# Altium PCB PCB4.PcbDoc (part 8 of 12)
Units mil, origin at the board's own origin, x right, y up, seen from the top; angles counter-clockwise.
Board outline 9204.7 x 4350.39 mil, 4 copper layers (Top Layer, Layer 1, Layer 2, Bottom Layer), stack 23.756 mil thick; 1824 components, 1732 nets, 6090 pads, 1022 vias.
Unrouted connection lines stored in the file: 2463.
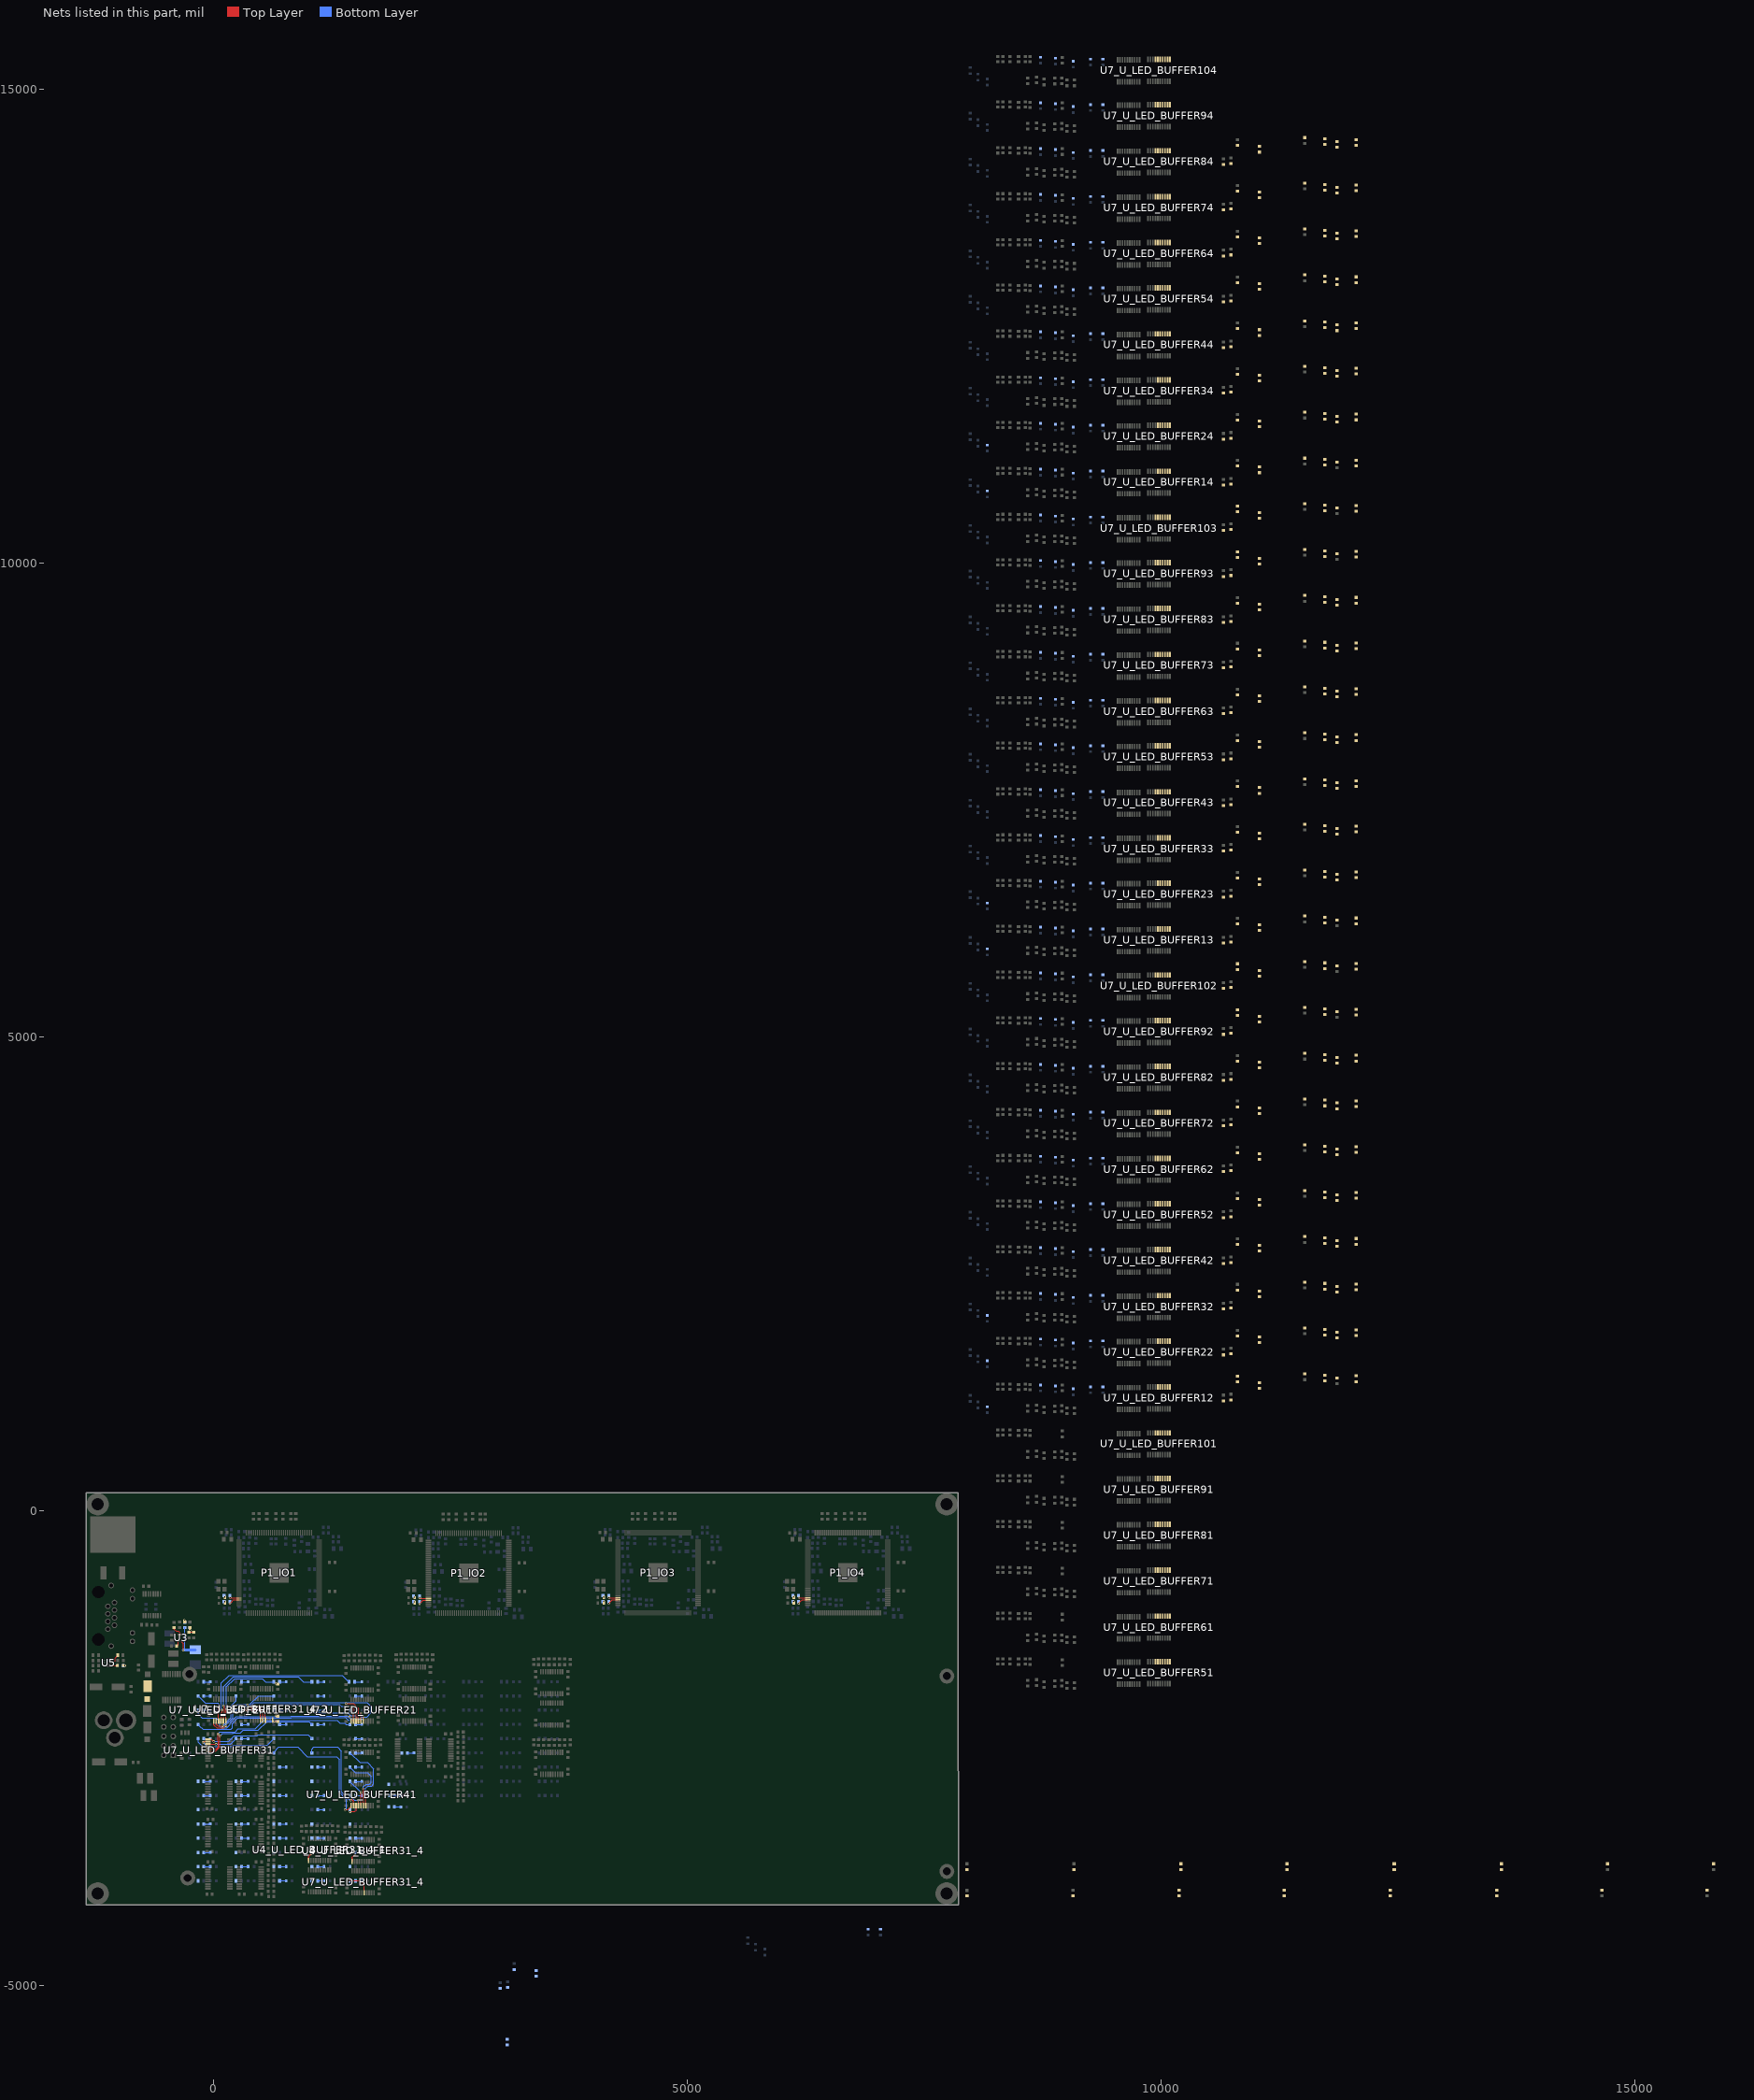
[diagram p10: the nets of this part, all layers, seen from the top]

## Via types
v1: diameter 24, hole 12, Top Layer to Bottom Layer, 1022 vias

## Nets (pads, with @x,y where several pads share a name; then routed paths per layer and width w, separated by ;. In a path a pad name is that pad's centre, name@x,y a point inside that pad or via, vN(x,y) a via of type N, cw(c..) or ccw(c..) an arc to the next point about the centre after c; other vN are vias at no path point) (continued)
L_OUT2_U_LED_BUFFER41: R17_U_LED_BUFFER41.2 U7_U_LED_BUFFER41.17 | length 770.3
  Top Layer w7: v1(1607.15,-2961.26) 1608.39,-2962.49 U7_U_LED_BUFFER41.17@1608.39,-3105.67
  Bottom Layer w7: R17_U_LED_BUFFER41.2@1440,-2550 1445.53,-2550 1545.53,-2650 1625.87,-2650 1693.04,-2717.16 1693.04,-2876.96 1670,-2900 1630,-2900 1607.15,-2922.85 v1(1607.15,-2961.26)
L_OUT2_U_LED_BUFFER42: R17_U_LED_BUFFER42.2 U7_U_LED_BUFFER42.17
L_OUT2_U_LED_BUFFER43: R17_U_LED_BUFFER43.2 U7_U_LED_BUFFER43.17
L_OUT2_U_LED_BUFFER44: R17_U_LED_BUFFER44.2 U7_U_LED_BUFFER44.17
L_OUT2_U_LED_BUFFER51: R17_U_LED_BUFFER51.2 U7_U_LED_BUFFER51.17
L_OUT2_U_LED_BUFFER52: R17_U_LED_BUFFER52.2 U7_U_LED_BUFFER52.17
L_OUT2_U_LED_BUFFER53: R17_U_LED_BUFFER53.2 U7_U_LED_BUFFER53.17
L_OUT2_U_LED_BUFFER54: R17_U_LED_BUFFER54.2 U7_U_LED_BUFFER54.17
L_OUT2_U_LED_BUFFER61: R17_U_LED_BUFFER61.2 U7_U_LED_BUFFER61.17
L_OUT2_U_LED_BUFFER62: R17_U_LED_BUFFER62.2 U7_U_LED_BUFFER62.17
L_OUT2_U_LED_BUFFER63: R17_U_LED_BUFFER63.2 U7_U_LED_BUFFER63.17
L_OUT2_U_LED_BUFFER64: R17_U_LED_BUFFER64.2 U7_U_LED_BUFFER64.17
L_OUT2_U_LED_BUFFER71: R17_U_LED_BUFFER71.2 U7_U_LED_BUFFER71.17
L_OUT2_U_LED_BUFFER72: R17_U_LED_BUFFER72.2 U7_U_LED_BUFFER72.17
L_OUT2_U_LED_BUFFER73: R17_U_LED_BUFFER73.2 U7_U_LED_BUFFER73.17
L_OUT2_U_LED_BUFFER74: R17_U_LED_BUFFER74.2 U7_U_LED_BUFFER74.17
L_OUT2_U_LED_BUFFER81: R17_U_LED_BUFFER81.2 U7_U_LED_BUFFER81.17
L_OUT2_U_LED_BUFFER82: R17_U_LED_BUFFER82.2 U7_U_LED_BUFFER82.17
L_OUT2_U_LED_BUFFER83: R17_U_LED_BUFFER83.2 U7_U_LED_BUFFER83.17
L_OUT2_U_LED_BUFFER84: R17_U_LED_BUFFER84.2 U7_U_LED_BUFFER84.17
L_OUT2_U_LED_BUFFER91: R17_U_LED_BUFFER91.2 U7_U_LED_BUFFER91.17
L_OUT2_U_LED_BUFFER92: R17_U_LED_BUFFER92.2 U7_U_LED_BUFFER92.17
L_OUT2_U_LED_BUFFER93: R17_U_LED_BUFFER93.2 U7_U_LED_BUFFER93.17
L_OUT2_U_LED_BUFFER94: R17_U_LED_BUFFER94.2 U7_U_LED_BUFFER94.17
L_OUT2_U_LED_BUFFER101: R17_U_LED_BUFFER101.2 U7_U_LED_BUFFER101.17
L_OUT2_U_LED_BUFFER102: R17_U_LED_BUFFER102.2 U7_U_LED_BUFFER102.17
L_OUT2_U_LED_BUFFER103: R17_U_LED_BUFFER103.2 U7_U_LED_BUFFER103.17
L_OUT2_U_LED_BUFFER104: R17_U_LED_BUFFER104.2 U7_U_LED_BUFFER104.17
L_OUT3_U_LED_BUFFER11: C34_U_LED_BUFFER31_4_2.1 R19_U_LED_BUFFER11.2 U7_U_LED_BUFFER11.16 | length 905.9
  Top Layer w7: U7_U_LED_BUFFER11.16@132.85,-2215.35 132.85,-2096.89 v1(140.05,-2089.69)
  Bottom Layer w7: v1@140,-2080 140,-1852.65 226.61,-1766.04 516.04,-1766.04 550,-1800 R19_U_LED_BUFFER11.2@640,-1800
  other v1: 660.67,-1817.74
L_OUT3_U_LED_BUFFER12: R19_U_LED_BUFFER12.2 U7_U_LED_BUFFER12.16
L_OUT3_U_LED_BUFFER13: R19_U_LED_BUFFER13.2 U7_U_LED_BUFFER13.16
L_OUT3_U_LED_BUFFER14: R19_U_LED_BUFFER14.2 U7_U_LED_BUFFER14.16
L_OUT3_U_LED_BUFFER21: C28_U_LED_BUFFER31_4_2.2 R19_U_LED_BUFFER21.2 U7_U_LED_BUFFER21.16 | length 2003.4
  Top Layer w7: U7_U_LED_BUFFER21.16@1582.8,-2215.67 1582.8,-2167.94 v1(1584.24,-2166.5)
  Bottom Layer w7: R19_U_LED_BUFFER21.2@-160,-2100 -160,-2140 -120,-2180 29.81,-2180 70.8,-2220.99 70.8,-2269.67 88.11,-2286.98 143.71,-2286.98 177.39,-2253.3 177.39,-2234.5 242.79,-2169.11 818.59,-2169.11 824.2,-2163.5 1415.32,-2163.5 1437.93,-2186.11 1494.29,-2186.11 1500.68,-2192.5 1567.52,-2192.5 1581.51,-2206.5 1584.24,-2206.5
  other v1: 657.8,-2155.27
L_OUT3_U_LED_BUFFER22: R19_U_LED_BUFFER22.2 U7_U_LED_BUFFER22.16
L_OUT3_U_LED_BUFFER23: R19_U_LED_BUFFER23.2 U7_U_LED_BUFFER23.16
L_OUT3_U_LED_BUFFER24: R19_U_LED_BUFFER24.2 U7_U_LED_BUFFER24.16
L_OUT3_U_LED_BUFFER31: R19_U_LED_BUFFER31.2 U7_U_LED_BUFFER31.16 | length 1309.9
  Top Layer w7: U7_U_LED_BUFFER31.16@-55.67,-2532.8 27,-2532.8 70.67,-2489.13 70.67,-2370.67 v1(70,-2370)
  Bottom Layer w7: v1(70,-2370) 97.02,-2342.98 204.75,-2342.98 205.73,-2342 286.15,-2342 317.23,-2310.93 473.72,-2310.93 564.65,-2220 1010,-2220 1026,-2236 1028.5,-2236 1040,-2247.5 R19_U_LED_BUFFER31.2@1040,-2250
L_OUT3_U_LED_BUFFER32: R19_U_LED_BUFFER32.2 U7_U_LED_BUFFER32.16
L_OUT3_U_LED_BUFFER33: R19_U_LED_BUFFER33.2 U7_U_LED_BUFFER33.16
L_OUT3_U_LED_BUFFER34: R19_U_LED_BUFFER34.2 U7_U_LED_BUFFER34.16
L_OUT3_U_LED_BUFFER41: R19_U_LED_BUFFER41.2 U7_U_LED_BUFFER41.16 | length 630.1
  Top Layer w7: U7_U_LED_BUFFER41.16@1582.8,-3105.67 1582.94,-3105.52 v1(1582.94,-2928.7) v1@1582.94,-2928.47
  Bottom Layer w7: R19_U_LED_BUFFER41.2@1440,-2700 1440,-2702.5 1451.5,-2714 1454,-2714 1500,-2760 1627.89,-2760 1664.41,-2796.52 1664.41,-2861.24 1655.78,-2869.88 1655.78,-2870.1 1649.62,-2876.25 1649.41,-2876.25 1645.66,-2880 1610,-2880 1582.94,-2907.06 v1(1582.94,-2928.7)
L_OUT3_U_LED_BUFFER42: R19_U_LED_BUFFER42.2 U7_U_LED_BUFFER42.16
L_OUT3_U_LED_BUFFER43: R19_U_LED_BUFFER43.2 U7_U_LED_BUFFER43.16
L_OUT3_U_LED_BUFFER44: R19_U_LED_BUFFER44.2 U7_U_LED_BUFFER44.16
L_OUT3_U_LED_BUFFER51: R19_U_LED_BUFFER51.2 U7_U_LED_BUFFER51.16
L_OUT3_U_LED_BUFFER52: R19_U_LED_BUFFER52.2 U7_U_LED_BUFFER52.16
L_OUT3_U_LED_BUFFER53: R19_U_LED_BUFFER53.2 U7_U_LED_BUFFER53.16
L_OUT3_U_LED_BUFFER54: R19_U_LED_BUFFER54.2 U7_U_LED_BUFFER54.16
L_OUT3_U_LED_BUFFER61: R19_U_LED_BUFFER61.2 U7_U_LED_BUFFER61.16
L_OUT3_U_LED_BUFFER62: R19_U_LED_BUFFER62.2 U7_U_LED_BUFFER62.16
L_OUT3_U_LED_BUFFER63: R19_U_LED_BUFFER63.2 U7_U_LED_BUFFER63.16
L_OUT3_U_LED_BUFFER64: R19_U_LED_BUFFER64.2 U7_U_LED_BUFFER64.16
L_OUT3_U_LED_BUFFER71: R19_U_LED_BUFFER71.2 U7_U_LED_BUFFER71.16
L_OUT3_U_LED_BUFFER72: R19_U_LED_BUFFER72.2 U7_U_LED_BUFFER72.16
L_OUT3_U_LED_BUFFER73: R19_U_LED_BUFFER73.2 U7_U_LED_BUFFER73.16
L_OUT3_U_LED_BUFFER74: R19_U_LED_BUFFER74.2 U7_U_LED_BUFFER74.16
L_OUT3_U_LED_BUFFER81: R19_U_LED_BUFFER81.2 U7_U_LED_BUFFER81.16
L_OUT3_U_LED_BUFFER82: R19_U_LED_BUFFER82.2 U7_U_LED_BUFFER82.16
L_OUT3_U_LED_BUFFER83: R19_U_LED_BUFFER83.2 U7_U_LED_BUFFER83.16
L_OUT3_U_LED_BUFFER84: R19_U_LED_BUFFER84.2 U7_U_LED_BUFFER84.16
L_OUT3_U_LED_BUFFER91: R19_U_LED_BUFFER91.2 U7_U_LED_BUFFER91.16
L_OUT3_U_LED_BUFFER92: R19_U_LED_BUFFER92.2 U7_U_LED_BUFFER92.16
L_OUT3_U_LED_BUFFER93: R19_U_LED_BUFFER93.2 U7_U_LED_BUFFER93.16
L_OUT3_U_LED_BUFFER94: R19_U_LED_BUFFER94.2 U7_U_LED_BUFFER94.16
L_OUT3_U_LED_BUFFER101: R19_U_LED_BUFFER101.2 U7_U_LED_BUFFER31_4.16 U7_U_LED_BUFFER101.16 | length 263.8
  Top Layer w7: v1(1430,-3900) 1430.67,-3899.33 1549.13,-3899.33 1592.8,-3943 U7_U_LED_BUFFER31_4.16@1592.8,-4025.67
L_OUT3_U_LED_BUFFER102: R19_U_LED_BUFFER102.2 U7_U_LED_BUFFER102.16
L_OUT3_U_LED_BUFFER103: R19_U_LED_BUFFER103.2 U7_U_LED_BUFFER103.16
L_OUT3_U_LED_BUFFER104: R19_U_LED_BUFFER104.2 U7_U_LED_BUFFER104.16
L_OUT4_U_LED_BUFFER11: R22_U_LED_BUFFER11.2 U7_U_LED_BUFFER11.15 | length 1356.5
  Top Layer w7: U7_U_LED_BUFFER11.15@107.26,-2215.35 107.26,-2149.69 117.37,-2139.57 117.37,-2063.25 v1(108.77,-2054.65)
  Bottom Layer w7: v1@108.72,-2044.97 108.72,-1851.28 210.45,-1749.55 899.55,-1749.55 950,-1800 R22_U_LED_BUFFER11.2@1040,-1800
L_OUT4_U_LED_BUFFER12: R22_U_LED_BUFFER12.2 U7_U_LED_BUFFER12.15
L_OUT4_U_LED_BUFFER13: R22_U_LED_BUFFER13.2 U7_U_LED_BUFFER13.15
L_OUT4_U_LED_BUFFER14: R22_U_LED_BUFFER14.2 U7_U_LED_BUFFER14.15
L_OUT4_U_LED_BUFFER21: R22_U_LED_BUFFER21.2 U7_U_LED_BUFFER21.15 U7_U_LED_BUFFER31_4_2.17 | length 2053.6
  Top Layer w7: v1(360.97,-2043.83) 376.43,-2059.3 489.1,-2059.3 548.39,-2118.59 U7_U_LED_BUFFER31_4_2.17@548.39,-2205.67 ; U7_U_LED_BUFFER21.15@1557.2,-2215.67 1557.2,-2132.8 v1(1560,-2130)
  Bottom Layer w7: R22_U_LED_BUFFER21.2@240,-2100 240,-2097.5 251.5,-2086 254,-2086 286,-2054 391.67,-2054 428.17,-2017.5 1620,-2017.5 1660,-2057.5 1660,-2130 1620,-2170 1560,-2170
L_OUT4_U_LED_BUFFER22: R22_U_LED_BUFFER22.2 U7_U_LED_BUFFER22.15
L_OUT4_U_LED_BUFFER23: R22_U_LED_BUFFER23.2 U7_U_LED_BUFFER23.15
L_OUT4_U_LED_BUFFER24: R22_U_LED_BUFFER24.2 U7_U_LED_BUFFER24.15
L_OUT4_U_LED_BUFFER31: C28_U_LED_BUFFER31_4_2.1 R22_U_LED_BUFFER31.2 U7_U_LED_BUFFER31.15 U7_U_LED_BUFFER31_4_2.20 | length 1783.4
  Top Layer w7: U7_U_LED_BUFFER31.15@-55.67,-2507.2 32.8,-2507.2 52.5,-2487.5 52.5,-2426.59 47.5,-2421.59 47.5,-2360.68 v1@49.09,-2359.09
  Top Layer w15: U7_U_LED_BUFFER31_4_2.20@625.16,-2205.67 625.16,-2217.56 C28_U_LED_BUFFER31_4_2.1@680,-2217.56
  Bottom Layer w7: v1(47.9,-2348.08) 67,-2328.98 198.95,-2328.98 199.93,-2328 232,-2328 263.07,-2296.93 443.55,-2296.93 534.48,-2206 1306,-2206 1337.5,-2237.5 1389.32,-2237.5 1401.82,-2250 R22_U_LED_BUFFER31.2@1440,-2250
  other v1: 645.1,-2215.13
L_OUT4_U_LED_BUFFER32: R22_U_LED_BUFFER32.2 U7_U_LED_BUFFER32.15
L_OUT4_U_LED_BUFFER33: R22_U_LED_BUFFER33.2 U7_U_LED_BUFFER33.15
L_OUT4_U_LED_BUFFER34: R22_U_LED_BUFFER34.2 U7_U_LED_BUFFER34.15
L_OUT4_U_LED_BUFFER41: R22_U_LED_BUFFER41.2 U7_U_LED_BUFFER41.15 | length 309.9
  Top Layer w7: U7_U_LED_BUFFER41.15@1557.2,-3105.67 1559.21,-3103.67 1559.21,-2966.71 v1(1557.37,-2964.88) v1@1559.21,-2963.04
  Bottom Layer w7: R22_U_LED_BUFFER41.2@1440,-2850 1535.81,-2945.81 1554.88,-2964.88 v1(1557.37,-2964.88)
L_OUT4_U_LED_BUFFER42: R22_U_LED_BUFFER42.2 U7_U_LED_BUFFER42.15
L_OUT4_U_LED_BUFFER43: R22_U_LED_BUFFER43.2 U7_U_LED_BUFFER43.15
L_OUT4_U_LED_BUFFER44: R22_U_LED_BUFFER44.2 U7_U_LED_BUFFER44.15
L_OUT4_U_LED_BUFFER51: R22_U_LED_BUFFER51.2 U7_U_LED_BUFFER51.15
L_OUT4_U_LED_BUFFER52: R22_U_LED_BUFFER52.2 U7_U_LED_BUFFER52.15
L_OUT4_U_LED_BUFFER53: R22_U_LED_BUFFER53.2 U7_U_LED_BUFFER53.15
L_OUT4_U_LED_BUFFER54: R22_U_LED_BUFFER54.2 U7_U_LED_BUFFER54.15
L_OUT4_U_LED_BUFFER61: R22_U_LED_BUFFER61.2 U7_U_LED_BUFFER61.15
L_OUT4_U_LED_BUFFER62: R22_U_LED_BUFFER62.2 U7_U_LED_BUFFER62.15
L_OUT4_U_LED_BUFFER63: R22_U_LED_BUFFER63.2 U7_U_LED_BUFFER63.15
L_OUT4_U_LED_BUFFER64: R22_U_LED_BUFFER64.2 U7_U_LED_BUFFER64.15
L_OUT4_U_LED_BUFFER71: R22_U_LED_BUFFER71.2 U7_U_LED_BUFFER71.15
L_OUT4_U_LED_BUFFER72: R22_U_LED_BUFFER72.2 U7_U_LED_BUFFER72.15
L_OUT4_U_LED_BUFFER73: R22_U_LED_BUFFER73.2 U7_U_LED_BUFFER73.15
L_OUT4_U_LED_BUFFER74: R22_U_LED_BUFFER74.2 U7_U_LED_BUFFER74.15
L_OUT4_U_LED_BUFFER81: R22_U_LED_BUFFER81.2 U7_U_LED_BUFFER81.15
L_OUT4_U_LED_BUFFER82: R22_U_LED_BUFFER82.2 U7_U_LED_BUFFER82.15
L_OUT4_U_LED_BUFFER83: R22_U_LED_BUFFER83.2 U7_U_LED_BUFFER83.15
L_OUT4_U_LED_BUFFER84: R22_U_LED_BUFFER84.2 U7_U_LED_BUFFER84.15
L_OUT4_U_LED_BUFFER91: R22_U_LED_BUFFER91.2 U7_U_LED_BUFFER91.15
L_OUT4_U_LED_BUFFER92: R22_U_LED_BUFFER92.2 U7_U_LED_BUFFER92.15
L_OUT4_U_LED_BUFFER93: R22_U_LED_BUFFER93.2 U7_U_LED_BUFFER93.15
L_OUT4_U_LED_BUFFER94: R22_U_LED_BUFFER94.2 U7_U_LED_BUFFER94.15
L_OUT4_U_LED_BUFFER101: R22_U_LED_BUFFER101.2 U7_U_LED_BUFFER101.15
L_OUT4_U_LED_BUFFER102: R22_U_LED_BUFFER102.2 U7_U_LED_BUFFER102.15
L_OUT4_U_LED_BUFFER103: R22_U_LED_BUFFER103.2 U7_U_LED_BUFFER103.15
L_OUT4_U_LED_BUFFER104: R22_U_LED_BUFFER104.2 U7_U_LED_BUFFER104.15
L_OUT5_U_LED_BUFFER11: R26_U_LED_BUFFER11.2 U7_U_LED_BUFFER11.14 | length 1808.8
  Top Layer w7: U7_U_LED_BUFFER11.14@81.67,-2215.35 81.67,-2132.82 94.87,-2119.62 v1(94.87,-2099.74)
  Bottom Layer w7: v1@94.82,-2090.05 86,-2081.24 86,-1814.2 168.78,-1731.42 1361.42,-1731.42 1416,-1786 1418.5,-1786 1430,-1797.5 R26_U_LED_BUFFER11.2@1430,-1800
L_OUT5_U_LED_BUFFER12: R26_U_LED_BUFFER12.2 U7_U_LED_BUFFER12.14
L_OUT5_U_LED_BUFFER13: R26_U_LED_BUFFER13.2 U7_U_LED_BUFFER13.14
L_OUT5_U_LED_BUFFER14: R26_U_LED_BUFFER14.2 U7_U_LED_BUFFER14.14
L_OUT5_U_LED_BUFFER21: R26_U_LED_BUFFER21.2 U7_U_LED_BUFFER21.14 | length 1107.6
  Top Layer w7: v1(1400,-2030) 1480,-2030 1535.44,-2085.44 1535.44,-2136.38 1530,-2141.82 1530,-2214.06 U7_U_LED_BUFFER21.14@1531.61,-2215.67
  Bottom Layer w7: R26_U_LED_BUFFER21.2@640,-2100 640,-2060 660,-2040 1330,-2040 1350.91,-2060.91 1399.09,-2060.91
L_OUT5_U_LED_BUFFER22: R26_U_LED_BUFFER22.2 U7_U_LED_BUFFER22.14
L_OUT5_U_LED_BUFFER23: R26_U_LED_BUFFER23.2 U7_U_LED_BUFFER23.14
L_OUT5_U_LED_BUFFER24: R26_U_LED_BUFFER24.2 U7_U_LED_BUFFER24.14
L_OUT5_U_LED_BUFFER31: R26_U_LED_BUFFER31.2 U7_U_LED_BUFFER31.14 | length 161.6
  Top Layer w7: v1(-120,-2480) -118.39,-2481.61 U7_U_LED_BUFFER31.14@-55.67,-2481.61
  Bottom Layer w7: R26_U_LED_BUFFER31.2@-160,-2400 -160,-2440 v1(-120,-2480)
L_OUT5_U_LED_BUFFER32: R26_U_LED_BUFFER32.2 U7_U_LED_BUFFER32.14
L_OUT5_U_LED_BUFFER33: R26_U_LED_BUFFER33.2 U7_U_LED_BUFFER33.14
L_OUT5_U_LED_BUFFER34: R26_U_LED_BUFFER34.2 U7_U_LED_BUFFER34.14
L_OUT5_U_LED_BUFFER41: R26_U_LED_BUFFER41.2 U7_U_LED_BUFFER41.14 | length 167.3
  Top Layer w7: v1(1530.22,-3049.78) 1531.3,-3050.86 1531.3,-3105.35 U7_U_LED_BUFFER41.14@1531.61,-3105.67
  Bottom Layer w7: R26_U_LED_BUFFER41.2@1440,-3000 1487.89,-3047.89 1528.32,-3047.89 v1(1530.22,-3049.78)
L_OUT5_U_LED_BUFFER42: R26_U_LED_BUFFER42.2 U7_U_LED_BUFFER42.14
L_OUT5_U_LED_BUFFER43: R26_U_LED_BUFFER43.2 U7_U_LED_BUFFER43.14
L_OUT5_U_LED_BUFFER44: R26_U_LED_BUFFER44.2 U7_U_LED_BUFFER44.14
L_OUT5_U_LED_BUFFER51: R26_U_LED_BUFFER51.2 U7_U_LED_BUFFER51.14
L_OUT5_U_LED_BUFFER52: R26_U_LED_BUFFER52.2 U7_U_LED_BUFFER52.14
L_OUT5_U_LED_BUFFER53: R26_U_LED_BUFFER53.2 U7_U_LED_BUFFER53.14
L_OUT5_U_LED_BUFFER54: R26_U_LED_BUFFER54.2 U7_U_LED_BUFFER54.14
L_OUT5_U_LED_BUFFER61: R26_U_LED_BUFFER61.2 U7_U_LED_BUFFER61.14
L_OUT5_U_LED_BUFFER62: R26_U_LED_BUFFER62.2 U7_U_LED_BUFFER62.14
L_OUT5_U_LED_BUFFER63: R26_U_LED_BUFFER63.2 U7_U_LED_BUFFER63.14
L_OUT5_U_LED_BUFFER64: R26_U_LED_BUFFER64.2 U7_U_LED_BUFFER64.14
L_OUT5_U_LED_BUFFER71: R26_U_LED_BUFFER71.2 U7_U_LED_BUFFER71.14
L_OUT5_U_LED_BUFFER72: R26_U_LED_BUFFER72.2 U7_U_LED_BUFFER72.14
L_OUT5_U_LED_BUFFER73: R26_U_LED_BUFFER73.2 U7_U_LED_BUFFER73.14
L_OUT5_U_LED_BUFFER74: R26_U_LED_BUFFER74.2 U7_U_LED_BUFFER74.14
L_OUT5_U_LED_BUFFER81: R26_U_LED_BUFFER81.2 U7_U_LED_BUFFER81.14
L_OUT5_U_LED_BUFFER82: R26_U_LED_BUFFER82.2 U7_U_LED_BUFFER82.14
L_OUT5_U_LED_BUFFER83: R26_U_LED_BUFFER83.2 U7_U_LED_BUFFER83.14
L_OUT5_U_LED_BUFFER84: R26_U_LED_BUFFER84.2 U7_U_LED_BUFFER84.14
L_OUT5_U_LED_BUFFER91: R26_U_LED_BUFFER91.2 U7_U_LED_BUFFER91.14
L_OUT5_U_LED_BUFFER92: R26_U_LED_BUFFER92.2 U7_U_LED_BUFFER92.14
L_OUT5_U_LED_BUFFER93: R26_U_LED_BUFFER93.2 U7_U_LED_BUFFER93.14
L_OUT5_U_LED_BUFFER94: R26_U_LED_BUFFER94.2 U7_U_LED_BUFFER94.14
L_OUT5_U_LED_BUFFER101: R26_U_LED_BUFFER101.2 U7_U_LED_BUFFER101.14
L_OUT5_U_LED_BUFFER102: R26_U_LED_BUFFER102.2 U7_U_LED_BUFFER102.14
L_OUT5_U_LED_BUFFER103: R26_U_LED_BUFFER103.2 U7_U_LED_BUFFER103.14
L_OUT5_U_LED_BUFFER104: R26_U_LED_BUFFER104.2 U7_U_LED_BUFFER104.14
L_OUT6_U_LED_BUFFER11: R27_U_LED_BUFFER11.2 U7_U_LED_BUFFER11.13 | length 439.4
  Top Layer w7: U7_U_LED_BUFFER11.13@56.08,-2215.35 56.08,-2078.52 56.75,-2077.85 56.75,-2070.67 56.08,-2070 v1(60,-2070)
  Bottom Layer w7: R27_U_LED_BUFFER11.2@-160,-1950 -84.37,-2025.63 49.52,-2025.63 59.63,-2035.73 59.63,-2069.63 v1(60,-2070)
L_OUT6_U_LED_BUFFER12: R27_U_LED_BUFFER12.2 U7_U_LED_BUFFER12.13
L_OUT6_U_LED_BUFFER13: R27_U_LED_BUFFER13.2 U7_U_LED_BUFFER13.13
L_OUT6_U_LED_BUFFER14: R27_U_LED_BUFFER14.2 U7_U_LED_BUFFER14.13
L_OUT6_U_LED_BUFFER21: R27_U_LED_BUFFER21.2 U7_U_LED_BUFFER21.13 | length 587.8
  Top Layer w7: U7_U_LED_BUFFER21.13@1506.02,-2215.67 1506.02,-2133.98 v1(1510,-2130)
  Bottom Layer w7: R27_U_LED_BUFFER21.2@1040,-2100 1040,-2102.5 1051.5,-2114 1054,-2114 1070,-2130 1420,-2130 1447.54,-2157.54 1497.54,-2157.54 1510,-2170
L_OUT6_U_LED_BUFFER22: R27_U_LED_BUFFER22.2 U7_U_LED_BUFFER22.13
L_OUT6_U_LED_BUFFER23: R27_U_LED_BUFFER23.2 U7_U_LED_BUFFER23.13
L_OUT6_U_LED_BUFFER24: R27_U_LED_BUFFER24.2 U7_U_LED_BUFFER24.13
L_OUT6_U_LED_BUFFER31: R27_U_LED_BUFFER31.2 U7_U_LED_BUFFER31.13 | length 322.2
  Top Layer w7: U7_U_LED_BUFFER31.13@-55.67,-2456.02 -55.46,-2456.23 26.23,-2456.23 v1(30,-2460)
  Bottom Layer w7: v1(30,-2460) 180,-2460 R27_U_LED_BUFFER31.2@240,-2400
L_OUT6_U_LED_BUFFER32: R27_U_LED_BUFFER32.2 U7_U_LED_BUFFER32.13
L_OUT6_U_LED_BUFFER33: R27_U_LED_BUFFER33.2 U7_U_LED_BUFFER33.13
L_OUT6_U_LED_BUFFER34: R27_U_LED_BUFFER34.2 U7_U_LED_BUFFER34.13
L_OUT6_U_LED_BUFFER41: R27_U_LED_BUFFER41.2 U7_U_LED_BUFFER41.13 | length 126.3
  Top Layer w7: v1@1438.01,-3170 1495.73,-3170 1506.02,-3159.71 U7_U_LED_BUFFER41.13@1506.02,-3105.67
  other v1: 1442.97,-3171.09
L_OUT6_U_LED_BUFFER42: R27_U_LED_BUFFER42.2 U7_U_LED_BUFFER42.13
L_OUT6_U_LED_BUFFER43: R27_U_LED_BUFFER43.2 U7_U_LED_BUFFER43.13
L_OUT6_U_LED_BUFFER44: R27_U_LED_BUFFER44.2 U7_U_LED_BUFFER44.13
L_OUT6_U_LED_BUFFER51: R27_U_LED_BUFFER51.2 U7_U_LED_BUFFER51.13
L_OUT6_U_LED_BUFFER52: R27_U_LED_BUFFER52.2 U7_U_LED_BUFFER52.13
L_OUT6_U_LED_BUFFER53: R27_U_LED_BUFFER53.2 U7_U_LED_BUFFER53.13
L_OUT6_U_LED_BUFFER54: R27_U_LED_BUFFER54.2 U7_U_LED_BUFFER54.13
L_OUT6_U_LED_BUFFER61: R27_U_LED_BUFFER61.2 U7_U_LED_BUFFER61.13
L_OUT6_U_LED_BUFFER62: R27_U_LED_BUFFER62.2 U7_U_LED_BUFFER62.13
L_OUT6_U_LED_BUFFER63: R27_U_LED_BUFFER63.2 U7_U_LED_BUFFER63.13
L_OUT6_U_LED_BUFFER64: R27_U_LED_BUFFER64.2 U7_U_LED_BUFFER64.13
L_OUT6_U_LED_BUFFER71: R27_U_LED_BUFFER71.2 U7_U_LED_BUFFER71.13
L_OUT6_U_LED_BUFFER72: R27_U_LED_BUFFER72.2 U7_U_LED_BUFFER72.13
L_OUT6_U_LED_BUFFER73: R27_U_LED_BUFFER73.2 U7_U_LED_BUFFER73.13
L_OUT6_U_LED_BUFFER74: R27_U_LED_BUFFER74.2 U7_U_LED_BUFFER74.13
L_OUT6_U_LED_BUFFER81: R27_U_LED_BUFFER81.2 U7_U_LED_BUFFER81.13
L_OUT6_U_LED_BUFFER82: R27_U_LED_BUFFER82.2 U7_U_LED_BUFFER82.13
L_OUT6_U_LED_BUFFER83: R27_U_LED_BUFFER83.2 U7_U_LED_BUFFER83.13
L_OUT6_U_LED_BUFFER84: R27_U_LED_BUFFER84.2 U7_U_LED_BUFFER84.13
L_OUT6_U_LED_BUFFER91: R27_U_LED_BUFFER91.2 U7_U_LED_BUFFER91.13
L_OUT6_U_LED_BUFFER92: R27_U_LED_BUFFER92.2 U7_U_LED_BUFFER92.13
L_OUT6_U_LED_BUFFER93: R27_U_LED_BUFFER93.2 U7_U_LED_BUFFER93.13
L_OUT6_U_LED_BUFFER94: R27_U_LED_BUFFER94.2 U7_U_LED_BUFFER94.13
L_OUT6_U_LED_BUFFER101: R27_U_LED_BUFFER101.2 U7_U_LED_BUFFER101.13
L_OUT6_U_LED_BUFFER102: R27_U_LED_BUFFER102.2 U7_U_LED_BUFFER102.13
L_OUT6_U_LED_BUFFER103: R27_U_LED_BUFFER103.2 U7_U_LED_BUFFER103.13
L_OUT6_U_LED_BUFFER104: R27_U_LED_BUFFER104.2 U7_U_LED_BUFFER104.13
L_OUT7_U_LED_BUFFER11: R45_U_LED_BUFFER11.2 U7_U_LED_BUFFER11.12 | length 481.6
  Top Layer w7: U7_U_LED_BUFFER11.12@30.49,-2215.35 34.01,-2218.88 34.01,-2250.58 47.91,-2264.48 v1(97.43,-2264.48)
  Bottom Layer w7: v1(97.43,-2264.48) 99.81,-2264.48 100,-2264.68 103.46,-2261.22 110.99,-2253.68 110.99,-2252.92 124.18,-2239.74 124.93,-2239.74 132.5,-2232.17 186.32,-2178.35 186.32,-2054.35 240,-2000.68 R45_U_LED_BUFFER11.2@240,-1950
L_OUT7_U_LED_BUFFER12: R45_U_LED_BUFFER12.2 U7_U_LED_BUFFER12.12
L_OUT7_U_LED_BUFFER13: R45_U_LED_BUFFER13.2 U7_U_LED_BUFFER13.12
L_OUT7_U_LED_BUFFER14: R45_U_LED_BUFFER14.2 U7_U_LED_BUFFER14.12
L_OUT7_U_LED_BUFFER21: R45_U_LED_BUFFER21.2 U7_U_LED_BUFFER21.12 | length 155.5
  Top Layer w7: v1(1460,-2070) 1462.31,-2070 1480.43,-2088.12 U7_U_LED_BUFFER21.12@1480.43,-2215.67
L_OUT7_U_LED_BUFFER22: R45_U_LED_BUFFER22.2 U7_U_LED_BUFFER22.12
L_OUT7_U_LED_BUFFER23: R45_U_LED_BUFFER23.2 U7_U_LED_BUFFER23.12
L_OUT7_U_LED_BUFFER24: R45_U_LED_BUFFER24.2 U7_U_LED_BUFFER24.12
L_OUT7_U_LED_BUFFER31: R45_U_LED_BUFFER31.2 U7_U_LED_BUFFER31.12 | length 861.8
  Top Layer w7: v1(-110,-2440) -100.43,-2430.43 U7_U_LED_BUFFER31.12@-55.67,-2430.43
  Bottom Layer w7: v1(-110,-2440) -65.45,-2484.55 195.25,-2484.55 210.36,-2469.44 570.56,-2469.44 R45_U_LED_BUFFER31.2@640,-2400
L_OUT7_U_LED_BUFFER32: R45_U_LED_BUFFER32.2 U7_U_LED_BUFFER32.12
L_OUT7_U_LED_BUFFER33: R45_U_LED_BUFFER33.2 U7_U_LED_BUFFER33.12
L_OUT7_U_LED_BUFFER34: R45_U_LED_BUFFER34.2 U7_U_LED_BUFFER34.12
L_OUT7_U_LED_BUFFER41: R45_U_LED_BUFFER41.2 U7_U_LED_BUFFER41.12 | length 1026.4
  Top Layer w7: v1@1450,-3040 1460,-3040 1480.43,-3060.43 U7_U_LED_BUFFER41.12@1480.43,-3105.67
  Bottom Layer w7: R45_U_LED_BUFFER41.2@1040,-2550 1040,-2510 1060,-2490 1310,-2490 1350,-2530 1350,-2960 1439.78,-3049.78 v1(1450.22,-3049.78)
L_OUT7_U_LED_BUFFER42: R45_U_LED_BUFFER42.2 U7_U_LED_BUFFER42.12
L_OUT7_U_LED_BUFFER43: R45_U_LED_BUFFER43.2 U7_U_LED_BUFFER43.12
L_OUT7_U_LED_BUFFER44: R45_U_LED_BUFFER44.2 U7_U_LED_BUFFER44.12
L_OUT7_U_LED_BUFFER51: R45_U_LED_BUFFER51.2 U7_U_LED_BUFFER51.12
L_OUT7_U_LED_BUFFER52: R45_U_LED_BUFFER52.2 U7_U_LED_BUFFER52.12
L_OUT7_U_LED_BUFFER53: R45_U_LED_BUFFER53.2 U7_U_LED_BUFFER53.12
L_OUT7_U_LED_BUFFER54: R45_U_LED_BUFFER54.2 U7_U_LED_BUFFER54.12
L_OUT7_U_LED_BUFFER61: R45_U_LED_BUFFER61.2 U7_U_LED_BUFFER61.12
L_OUT7_U_LED_BUFFER62: R45_U_LED_BUFFER62.2 U7_U_LED_BUFFER62.12
L_OUT7_U_LED_BUFFER63: R45_U_LED_BUFFER63.2 U7_U_LED_BUFFER63.12
L_OUT7_U_LED_BUFFER64: R45_U_LED_BUFFER64.2 U7_U_LED_BUFFER64.12
L_OUT7_U_LED_BUFFER71: R45_U_LED_BUFFER71.2 U7_U_LED_BUFFER71.12